# KiCad board Ethernet controller W5500 board_panel.kicad_pcb (continued)
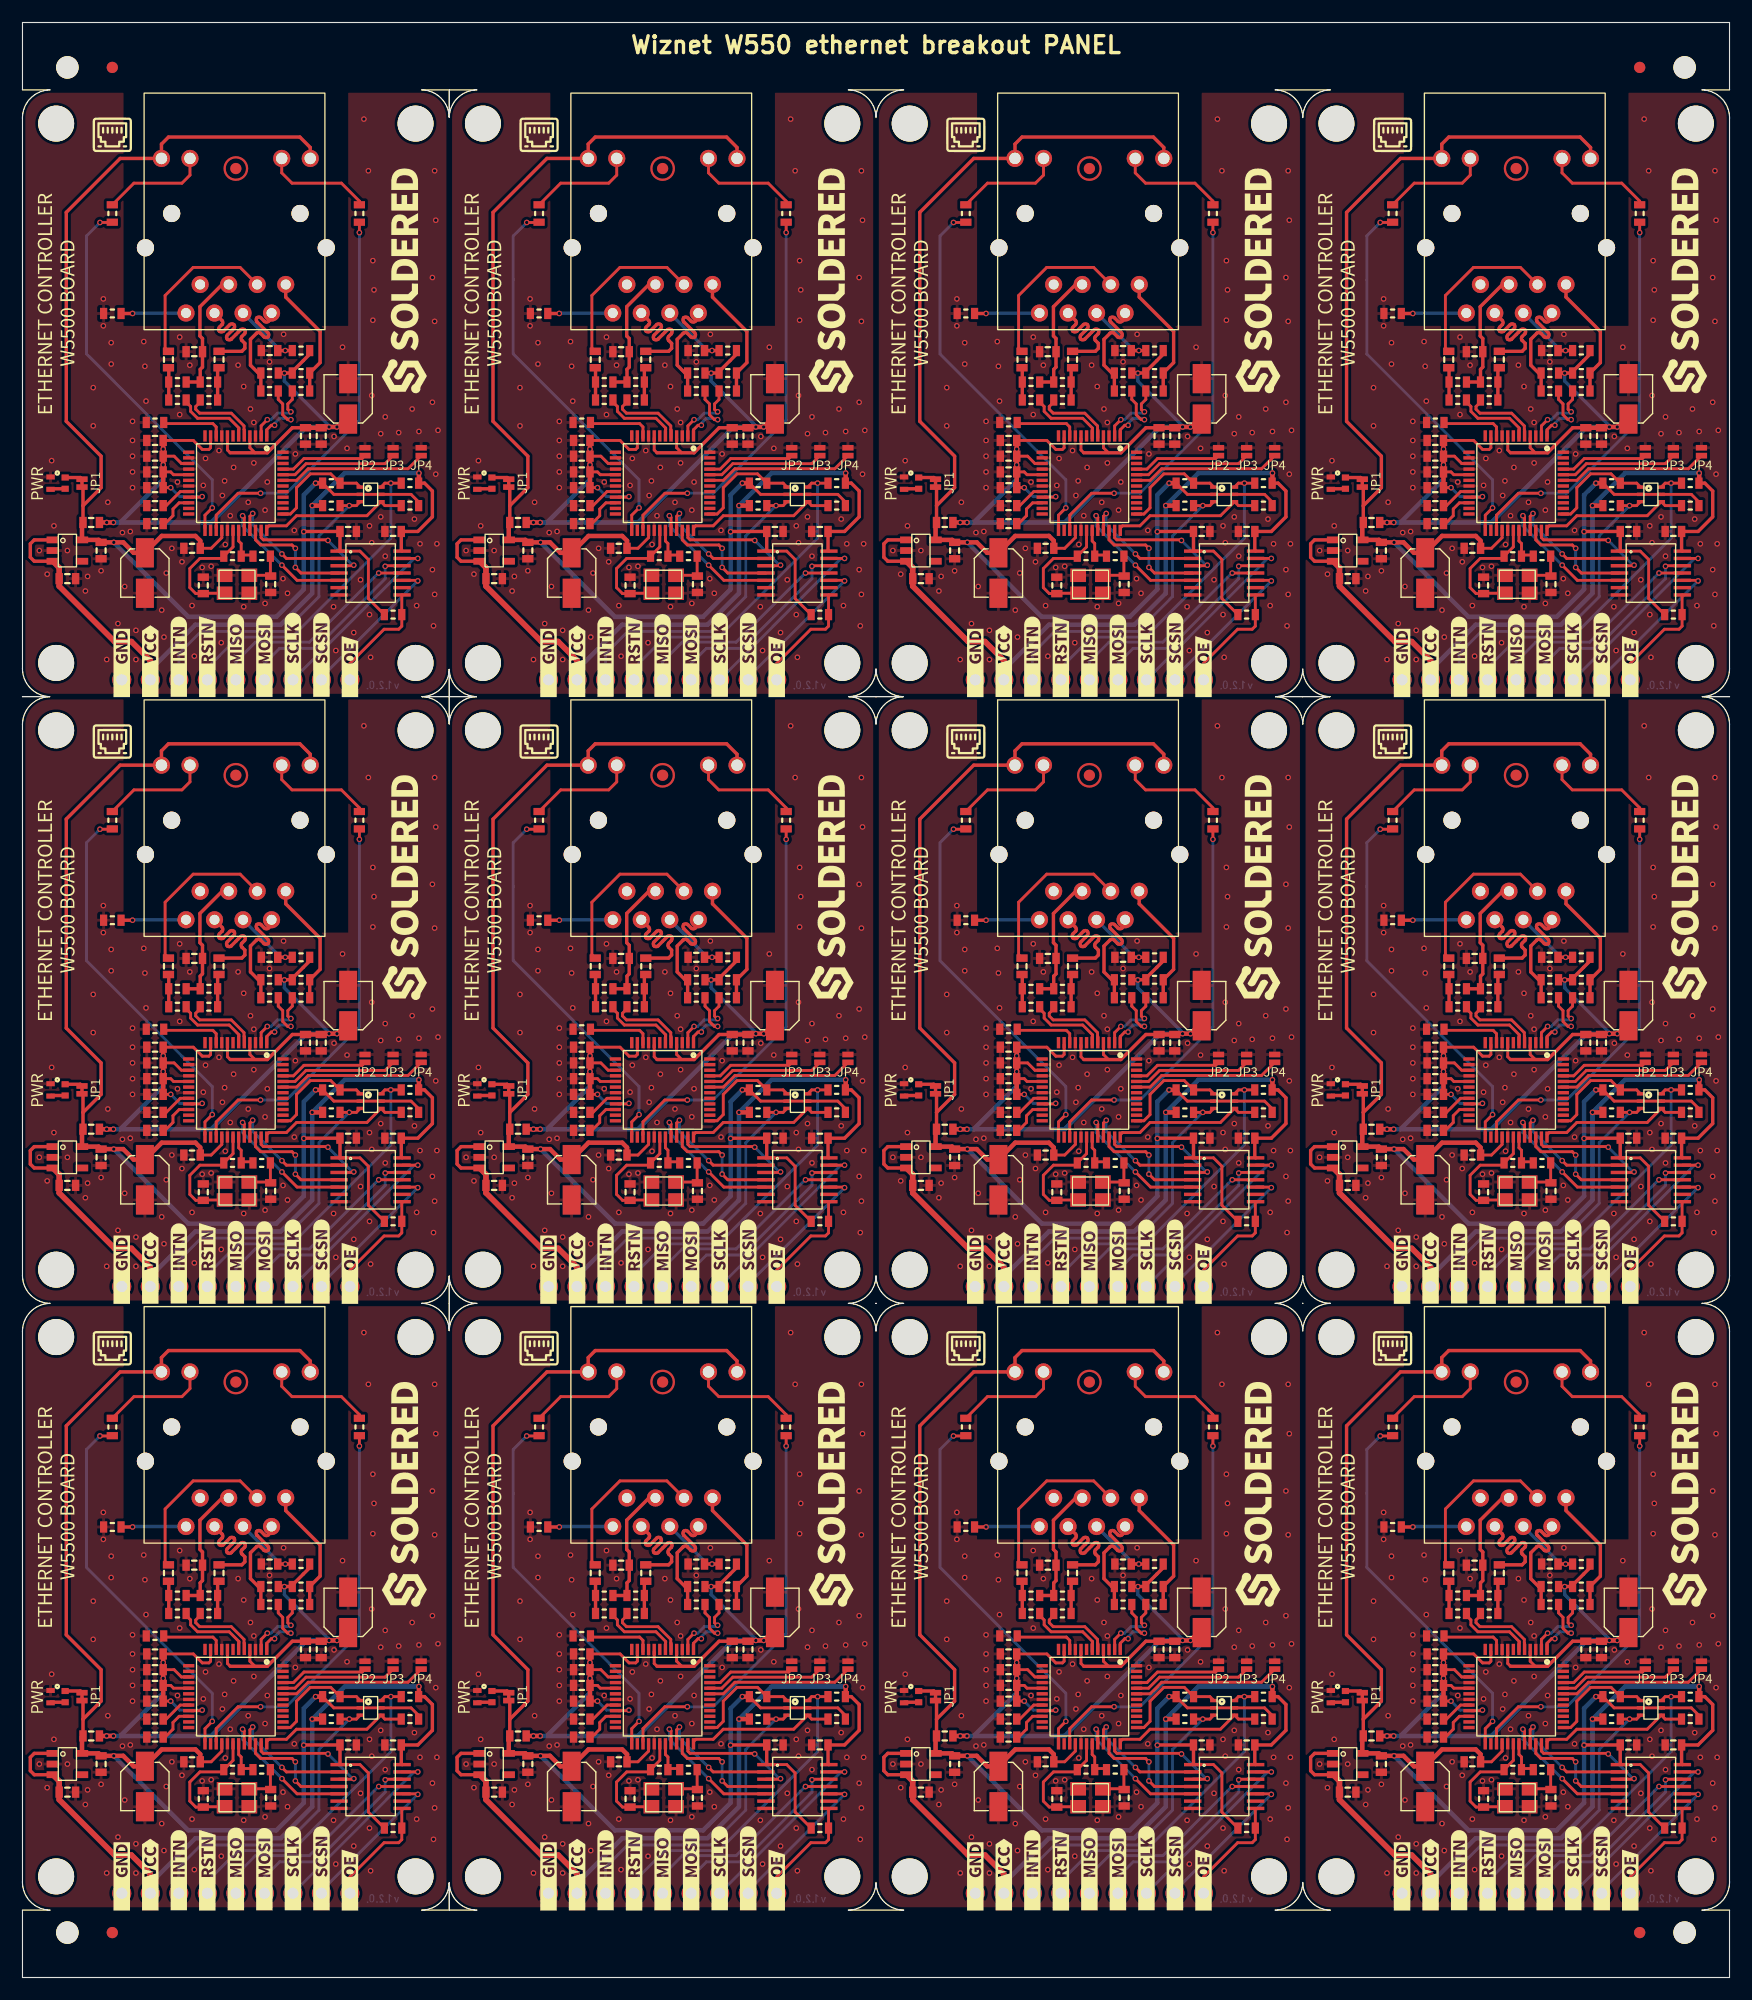
[diagram p0: board, top side]
## Routing (per net, layer and track width the routed paths; a pad name or vN(x,y) marks a point on that pad's centre or on a via; arc(x,y) is an arc through that point) (continued)
Board_1-Net-(C7-Pad2): length 11.5
  Top w0.3: R7#10.1 R9#3.1 53.83,143.13 54.03,143.33 C7#11.2 54.03,145.87 53.8,146.1 53.8,148.7 55.78,150.68 K1#7.5
Board_1-Net-(C9-Pad2): length 2.9
  Top w0.3: R3#11.2 R9#3.2 55.38,143.15 C9#11.2
Board_1-Net-(C10-Pad2): length 2.9
  Top w0.3: R4.2 R7#10.2 51.03,143.25 C10.2
Board_1-Net-(C11-Pad2): length 6.4
  Top w0.3: R10#2.1 v1(61.4,144.8) C11#6.2
  Bottom w0.3: v1(61.4,144.8) 60.98,144.8 K1#7.4
Board_1-Net-(C12-Pad2): length 3
  Top w0.254: 53,132.25 52.05,132.25 50.8,131 C12#2.2
Board_1-Net-(C13-Pad2): length 3.4
  Top w0.254: C13#9.2 50.7,129.4 51.4,130.1 51.4,130.7 51.95,131.25 U1#5.22
Board_1-Net-(C16-Pad2): length 11.4
  Top w0.254: X1#4.1 54.13,123.2 C16#12.2 53.43,123.17 52.9,123.7 52.9,125.4 53.8,126.3 55.73,126.3 56.75,127.33 56.75,129
Board_1-Net-(C17-Pad2): length 3.8
  Top w0.254: 60.08,126.6 60.08,124.76 C17#2.2 60.03,124.8 X1#4.3
Board_1-Net-(D1-Pad1): length 1.3
  Top w0.3: D1#7.1 40.55,132.5 R13#2.2
Board_1-Net-(JP1-Pad2): length 1.6
  Top w0.3: JP1#7.2 43.15,133.5 R13#2.1
Board_1-Net-(K1-Pad10): length 9.6
  Top w0.254: R12#10.1 68,158.1 66.4,159.7 62,159.7 61.09,160.62 K1#7.10
Board_1-Net-(K1-Pad11): length 9.5
  Top w0.254: R11#2.1 47.93,159.7 52.2,159.7 52.92,160.42 K1#7.11
Board_1-Net-(R5-Pad2): length 5.8
  Top w0.254: 55.25,137 55.25,138 54.95,138.3 50.68,138.3 R5#10.2
Board_1-Net-(R14-Pad2): length 3.5
  Top w0.254: 57.25,129 57.25,127.85 57.48,127.63 57.48,126.6 58.53,126.6
Board_1-OE: length 10.2
  Top w0.254: U3#8.8 71.78,123.03 R17.2 71.78,120.28 71.5,120 70.2,120 67.16,116.96 K2#10.9
Board_1-PMODE0: length 8
  Top w0.254: 61,134.25 62.13,134.25 63.06,135.19 68.24,135.19 JP2#3.2
Board_1-PMODE1: length 10.7
  Top w0.254: 61,133.75 62.27,133.75 63.25,134.73 70.28,134.73 JP3#12.2
Board_1-PMODE2: length 13.4
  Top w0.254: 61,133.25 62.41,133.25 63.44,134.28 72.33,134.28 JP4#2.2
Board_1-RSTn_H: length 29
  Top w0.254: U5#12.6 70.27,133 v1(70.8,133) R27#5.1
  Bottom w0.254: K2#10.4 54.46,116.56 57.2,119.3 62,119.3 70.8,128.1 v1(70.8,133)
Board_1-RSTn_L: length 10.1
  Top w0.254: U5#12.1 67.73,133 R21#2.1 65.45,133.83 63.63,133.83 62.4,132.6 62.4,130.8 61.85,130.25 61,130.25
Board_1-RX+: length 7
  Top w0.254: 57.25,137 57.25,137.75 57.27,137.77 57.27,137.91 56.41,138.77 53.59,138.77 52.97,139.39 52.97,139.82 52.58,140.22 R4.1
Board_1-RX-: length 7
  Top w0.254: R3#11.1 53.83,140.22 53.43,139.82 53.43,139.58 53.78,139.23 56.6,139.23 57.73,138.09 57.73,137.77 57.75,137.75 57.75,137
Board_1-SCLK_H: length 17
  Top w0.254: v1(73.2,126.3) U3#8.13
  Bottom w0.254: v1(73.2,126.3) 72.88,126.3 K2#10.7
Board_1-SCLK_L: length 11.3
  Top w0.254: 58.25,129 58.25,130.05 v1(58.5,130.3) ; v1(61.1,126.7) 61.5,126.3 U3#8.2
  Bottom w0.254: v1(58.5,130.3) 58.5,129.3 v1(61.1,126.7)
Board_1-SCSn_H: length 13.8
  Top w0.254: v1(73.2,124.3) 73.15,124.35 U3#8.10
  Bottom w0.254: K2#10.8 64.62,115.72 v1(73.2,124.3)
Board_1-SCSn_L: length 12.7
  Top w0.254: v1(57.6,130.1) 57.75,129.95 57.75,129 ; U3#8.5 62.45,124.35 v1(61.1,125.7)
  Bottom w0.254: v1(61.1,125.7) 57.6,129.2 v1(57.6,130.1)
Board_1-TX+: length 6.4
  Top w0.254: R2#9.1 62.03,140.45 61.63,140.05 61.63,139.57 61.84,139.35 v1(61.9,139.35) ; 59.25,137 59.25,138.1 v1(59.8,138.65)
  Bottom w0.254: v1(59.8,138.65) 60.13,138.65 60.71,139.23 61.78,139.23 v1(61.9,139.35)
Board_1-TX-: length 6.7
  Top w0.254: R1#7.1 60.78,140.45 61.17,140.05 61.17,139.09 61.61,138.65 v1(61.9,138.65) ; 59.75,137 59.75,137.75 60.15,138.15 v1(60.45,138.15)
  Bottom w0.254: v1(61.9,138.65) 61.78,138.77 60.9,138.77 60.45,138.33 v1(60.45,138.15)
Board_1-VCC: length 67.9
  Top w0.3: U2#6.1 39.05,127.95 38.7,127.6 38.7,126.4 39.05,126.05 U2#6.3 ; R27#5.2 73.8,133 74.5,132.3 74.5,130 73.2,128.7 C21.1 71.73,127.02 U3#8.14
  Top w0.4: R27#5.2 73.3,133.03 v1(73.3,133.9) ; R22.1 v1(63.8,131)
  Top w0.5: K2#10.2 49.38,117.22 47.7,118.9 46.2,118.9 41.27,123.83 C18#8.2 41.27,125.48 U2#6.3
  Bottom w0.4: K2#10.2 49.38,116.38 53.4,120.4 61,120.4 63.8,123.2 63.8,130.93 63.77,130.96 v1(63.8,131) 66.7,133.9 v1(73.3,133.9)
Board_2-3V3: length 129.2
  Top w0.254: R17#6.1 106.8,122.73 106.8,126.2 106.05,126.95 U3#11.1 ; C14#8.2 92.8,127.2 93.75,128.15 93.75,129 ; R28#7.1 111.28,131.33 110.6,132 U5#9.5 U5#9.2 103.73,132 R21#3.2
  Top w0.3: 81.39,130.99 81.39,132.56 JP1.1 ; 81.39,130.99 FB1#10.1 ; 81.39,130.99 83,132.6 83,135.4 79.9,138.5 79.9,157.1 84.7,161.9 K1#11.12 88.38,163.18 89,163.8 100.7,163.8 101.63,162.88 K1#11.9 ; U3#11.1 104.27,127.02 C20#9.2 101.07,128.7 v1(101.05,128.68)
  Top w0.4: v1(102.1,133) R21#3.2 ; FB1#10.1 81.3,129.41 U2#10.5 82.78,127.95 C19.2 84.97,127.73 85.9,126.8 C15#5.1 88.4,128.3 91.4,128.3 91.83,127.87 C14#8.2
  Bottom w0.4: v1(84.13,127.73) 90.76,121.1 98.6,121.1 101.05,123.55 v1(101.05,128.68) 101.05,131.95 v1(102.1,133)
Board_2-3V3_A: length 77.8
  Top w0.254: C4#10.2 91.21,136.8 92.01,136 92.6,136 92.75,136.15 92.75,137 ; C6#11.2 89.2,134 89.45,133.75 91,133.75 ; 91,131.75 91.95,131.75 v1(92,131.8) ; 96.7,135.7 96.25,136.15 96.25,137 ; v1(89.2,132.6) C8.2 ; 91,134.75 90.15,134.75 89.5,135.4 C5#11.2 ; 94.5,135.7 94.25,135.95 94.25,137
  Top w0.3: R10#6.2 101.58,144.48 100.03,142.93 R8#3.2 R6#8.2 ; 94.5,135.7 97.8,135.7 100.03,137.93 C2#2.2
  Top w0.4: C8.2 v1(88.53,134.63) v1(88.53,136.03) C4#10.2 ; 104.7,138.7 v1(104,138) v1(103.3,138) 102.67,138 C3#11.2 C2#2.2 ; FB1#10.2 v1(83.5,129.5) v1(84.1,129.5)
  Bottom w0.254: v1(89.2,132.6) 90,131.8 v1(92,131.8)
  Bottom w0.3: v1(99.32,142.79) 99.32,142.08 103.3,138.1 v1(103.3,138)
  Bottom w0.4: v1(88.53,136.03) v1(88.53,134.63) 88.53,133.33 84.7,129.5 ; 84.7,129.5 92.8,129.5 101.3,138 v1(104,138) ; 84.7,129.5 v1(84.1,129.5) v1(83.5,129.5)
Board_2-/RXN: length 11.6
  Top w0.3: C9#12.1 95.53,144.73 95.8,145 95.8,145.44 95.54,145.7 arc(95.47,145.88) 95.54,146.06 95.78,146.29 arc(95.85,146.47) 95.78,146.65 arc(95.6,146.72) 95.42,146.65 94.59,145.82 arc(94.42,145.74) 94.24,145.82 arc(94.17,145.99) 94.24,146.17 94.83,146.76 arc(94.9,146.93) 94.83,147.1 94.82,147.11 arc(94.65,147.18) 94.47,147.11 93.89,146.52 arc(93.71,146.45) 93.53,146.52 arc(93.46,146.7) 93.53,146.88 93.77,147.12 arc(93.84,147.29) 93.77,147.47 K1#11.6
Board_2-/RXP: length 15
  Top w0.254: C10#11.1 88.7,145.03 88.7,149.7 91.2,152.2 95.38,152.2 K1#11.3
Board_2-/TXN: length 11.4
  Top w0.3: R1#6.2 R6#8.1 97,142.8 96.3,143.5 96.3,145.8 96.84,146.34 arc(97.02,146.41) 97.19,146.34 97.51,146.02 arc(97.69,145.95) 97.86,146.02 arc(97.94,146.2) 97.86,146.38 96.88,147.36 arc(96.81,147.54) 96.88,147.71 arc(97.06,147.79) 97.23,147.71 97.55,147.4 arc(97.72,147.33) 97.9,147.4 98.18,147.68 K1#11.2
Board_2-/TXP: length 11.1
  Top w0.3: R2.2 R8#3.1 102.5,143.73 102.5,146.5 99.44,149.56 K1#11.1
Board_2-ACTLED: length 35
  Top w0.254: v1(97.2,132.1) 95.2,132.1 93.25,130.15 93.25,129 ; v1(106,155.3) R12#12.2
  Bottom w0.254: v1(97.2,132.1) 99.5,132.1 106,138.6 v1(106,155.3)
Board_2-CGND: length 5.8
  Top w0.3: v1(85.8,148.1) R16#4.2
  Bottom w0.3: K1#11.8 85.84,148.14 v1(85.8,148.1)
Board_2-GND:
  vias: v1(77.5,127) v1(78.2,124.9) v1(78.6,135) v1(78.8,129.2) v1(80,127) v1(81.6,123.4) v1(81.8,124.7) v1(82.3,141.5) v1(82.3,138.1) v1(83,125.2) v1(83.2,149.4) v1(83.2,147) v1(83.5,117.3) v1(83.6,131.3) v1(83.9,145.5) v1(83.9,143.6) v1(84.5,120.5) v1(84.9,128.6) v1(85.1,123.8) v1(85.6,128.7) v1(85.8,138.5) v1(85.8,136.8) v1(85.8,135.4) v1(85.8,134) v1(85.8,132.6) v1(86.1,119.9) v1(86.1,117.3) v1(86.8,145.6) v1(86.9,143.4) v1(87,140.3) v1(88.4,121.7) v1(88.6,119.3) v1(88.8,125) v1(89.3,127.2) v1(89.8,133.1) v1(90,146) v1(90,139.1) v1(90.2,126) v1(90.9,143.5) v1(91.1,122.1) v1(91.3,117.6) v1(92,125.5) v1(92.1,132.8) v1(92.3,135.2) v1(92.8,125.6) v1(93.5,135.9) v1(93.7,118.8) v1(93.8,131.9) v1(94,133.2) v1(94.06,127.54) v1(94.5,130.1) v1(94.8,134.4) v1(95.2,143.5) v1(95.7,141.6) v1(95.7,122) v1(96.1,131.3) v1(96.3,139.6) v1(96.6,138.4) v1(96.6,134.8) v1(97.6,130.6) v1(97.6,122.3) v1(97.8,133.1) v1(98,143.8) v1(99.2,124.5) v1(99.25,146.25) v1(99.6,123.2) v1(100.2,128.8) v1(100.3,135.6) v1(103.74,137.16) v1(103.7,122) v1(103.9,118.1) v1(104.5,145.1) v1(104.9,136.1) v1(105.5,119.7) v1(106.1,124.4) v1(106.4,165.4) v1(106.8,160.8) v1(106.9,129.2) v1(106.9,121.3) v1(107,117.5) v1(107.1,140.8) v1(107.1,127.7) v1(107.2,152.8) v1(107.2,147.5) v1(107.3,150.2) v1(107.9,137.4) v1(107.9,130) v1(108.3,138.9) v1(108.3,126.5) v1(109.5,137.5) v1(110.7,139.6) v1(110.9,129.8) v1(111.1,122.1) v1(111.3,137.6) v1(111.4,127.6) v1(112.5,151.3) v1(112.5,140.2) v1(112.5,125.3) v1(112.6,120.3) v1(112.7,160.8) v1(112.7,147.4) v1(112.7,123.1) v1(112.8,156.4) v1(112.8,133.8) v1(112.9,127.6) v1(113,137.7)
Board_2-INTn_H: length 28.1
  Top w0.254: U5#9.3 105.73,131 v1(105.1,131) R22#8.2
  Bottom w0.254: K2#9.3 89.92,117.82 91.9,119.8 99.3,119.8 102.4,122.9 102.4,128.3 v1(105.1,131)
Board_2-INTn_L: length 13.1
  Top w0.254: 97.75,129 97.95,129.2 99.5,129.2 100.4,130.1 106.67,130.1 U5#9.4 108.27,131 R28#7.2
Board_2-LINKLED: length 33.7
  Top w0.254: 92.25,129 92.25,130.15 v1(92.9,130.8) ; R11#7.2 83.98,156.2 v1(82.9,156.2)
  Bottom w0.254: v1(82.9,156.2) 81.7,155 81.7,144.5 92.9,133.3 v1(92.9,130.8)
Board_2-MISO_H: length 19.7
  Top w0.254: v1(107.72,125) U3#11.11
  Bottom w0.254: K2#9.5 95,117.1 96.75,118.85 101.55,118.85 107.7,125 v1(107.72,125)
Board_2-MISO_L: length 10.7
  Top w0.254: v1(100.3,127.2) 100,127.5 97.2,127.5 96.75,127.95 96.75,129 ; v1(100.3,125.5) 100.8,125 U3#11.4
  Bottom w0.254: v1(100.3,125.5) v1(100.3,127.2)
Board_2-MOSI_H: length 18
  Top w0.254: U3#11.12 108.35,125.65 v1(108.3,125.6)
  Bottom w0.254: v1(108.3,125.6) 108.3,124.5 102.1,118.3 98.9,118.3 97.54,116.94 K2#9.6
Board_2-MOSI_L: length 11.4
  Top w0.254: 97.25,129 97.25,128.15 97.45,127.95 103.15,127.95 v1(103.2,127.9) ; v1(105.5,125.7) 105.45,125.65 U3#11.3
  Bottom w0.254: v1(105.5,125.7) 105.4,125.7 v1(103.2,127.9)
Board_2-Net-(C7-Pad2): length 11.5
  Top w0.3: R7#8.1 R9#12.1 91.83,143.13 92.03,143.33 C7#3.2 92.03,145.87 91.8,146.1 91.8,148.7 93.78,150.68 K1#11.5
Board_2-Net-(C9-Pad2): length 2.9
  Top w0.3: R3#12.2 R9#12.2 93.38,143.15 C9#12.2
Board_2-Net-(C10-Pad2): length 2.9
  Top w0.3: C10#11.2 89.03,143.25 R7#8.2 R4#4.2
Board_2-Net-(C11-Pad2): length 6.4
  Top w0.3: R10#6.1 v1(99.4,144.8) C11#9.2
  Bottom w0.3: K1#11.4 98.98,144.8 v1(99.4,144.8)
Board_2-Net-(C12-Pad2): length 3
  Top w0.254: 91,132.25 90.05,132.25 88.8,131 C12#10.2
Board_2-Net-(C13-Pad2): length 3.4
  Top w0.254: U1#3.22 89.95,131.25 89.4,130.7 89.4,130.1 88.7,129.4 C13#2.2
Board_2-Net-(C16-Pad2): length 11.4
  Top w0.254: X1#6.1 92.13,123.2 C16#6.2 91.43,123.17 90.9,123.7 90.9,125.4 91.8,126.3 93.73,126.3 94.75,127.33 94.75,129
Board_2-Net-(C17-Pad2): length 3.8
  Top w0.254: X1#6.3 98.03,124.8 C17.2 98.08,124.76 98.08,126.6
Board_2-Net-(D1-Pad1): length 1.3
  Top w0.3: D1#3.1 78.55,132.5 R13#4.2
Board_2-Net-(JP1-Pad2): length 1.6
  Top w0.3: R13#4.1 81.15,133.5 JP1.2
Board_2-Net-(K1-Pad10): length 9.6
  Top w0.254: K1#11.10 99.09,160.62 100,159.7 104.4,159.7 106,158.1 R12#12.1
Board_2-Net-(K1-Pad11): length 9.5
  Top w0.254: K1#11.11 90.92,160.42 90.2,159.7 85.93,159.7 R11#7.1
Board_2-Net-(R5-Pad2): length 5.8
  Top w0.254: R5#9.2 88.68,138.3 92.95,138.3 93.25,138 93.25,137
Board_2-Net-(R14-Pad2): length 3.5
  Top w0.254: 96.53,126.6 95.48,126.6 95.48,127.63 95.25,127.85 95.25,129
Board_2-OE: length 10.2
  Top w0.254: K2#9.9 105.16,116.96 108.2,120 109.5,120 109.78,120.28 R17#6.2 109.78,123.03 U3#11.8
Board_2-PMODE0: length 8
  Top w0.254: JP2.2 106.24,135.19 101.06,135.19 100.13,134.25 99,134.25
Board_2-PMODE1: length 10.7
  Top w0.254: 99,133.75 100.27,133.75 101.25,134.73 108.28,134.73 JP3#7.2
Board_2-PMODE2: length 13.4
  Top w0.254: 99,133.25 100.41,133.25 101.44,134.28 110.33,134.28 JP4.2
Board_2-RSTn_H: length 29
  Top w0.254: U5#9.6 108.27,133 v1(108.8,133) R27#7.1
  Bottom w0.254: K2#9.4 92.46,116.56 95.2,119.3 100,119.3 108.8,128.1 v1(108.8,133)
Board_2-RSTn_L: length 10.1
  Top w0.254: 99,130.25 99.85,130.25 100.4,130.8 100.4,132.6 101.63,133.83 103.45,133.83 R21#3.1 105.73,133 U5#9.1
Board_2-RX+: length 7
  Top w0.254: 95.25,137 95.25,137.75 95.27,137.77 95.27,137.91 94.41,138.77 91.59,138.77 90.97,139.39 90.97,139.82 90.58,140.22 R4#4.1
Board_2-RX-: length 7
  Top w0.254: R3#12.1 91.83,140.22 91.43,139.82 91.43,139.58 91.78,139.23 94.6,139.23 95.73,138.09 95.73,137.77 95.75,137.75 95.75,137
Board_2-SCLK_H: length 17
  Top w0.254: v1(111.2,126.3) U3#11.13
  Bottom w0.254: K2#9.7 110.88,126.3 v1(111.2,126.3)
Board_2-SCLK_L: length 11.3
  Top w0.254: v1(99.1,126.7) 99.5,126.3 U3#11.2 ; 96.25,129 96.25,130.05 v1(96.5,130.3)
  Bottom w0.254: v1(99.1,126.7) 96.5,129.3 v1(96.5,130.3)
Board_2-SCSn_H: length 13.8
  Top w0.254: U3#11.10 111.15,124.35 v1(111.2,124.3)
  Bottom w0.254: K2#9.8 102.62,115.72 v1(111.2,124.3)
Board_2-SCSn_L: length 12.7
  Top w0.254: v1(95.6,130.1) 95.75,129.95 95.75,129 ; U3#11.5 100.45,124.35 v1(99.1,125.7)
  Bottom w0.254: v1(95.6,130.1) 95.6,129.2 v1(99.1,125.7)
Board_2-TX+: length 6.4
  Top w0.254: R2.1 100.03,140.45 99.63,140.05 99.63,139.57 99.84,139.35 v1(99.9,139.35) ; v1(97.8,138.65) 97.25,138.1 97.25,137
  Bottom w0.254: v1(97.8,138.65) 98.13,138.65 98.71,139.23 99.78,139.23 v1(99.9,139.35)
Board_2-TX-: length 6.7
  Top w0.254: v1(98.45,138.15) 98.15,138.15 97.75,137.75 97.75,137 ; v1(99.9,138.65) 99.61,138.65 99.17,139.09 99.17,140.05 98.78,140.45 R1#6.1
  Bottom w0.254: v1(99.9,138.65) 99.78,138.77 98.9,138.77 98.45,138.33 v1(98.45,138.15)
Board_2-VCC: length 67.9
  Top w0.3: R27#7.2 111.8,133 112.5,132.3 112.5,130 111.2,128.7 C21#5.1 109.73,127.02 U3#11.14 ; U2#10.3 77.05,126.05 76.7,126.4 76.7,127.6 77.05,127.95 U2#10.1
  Top w0.4: R27#7.2 111.3,133.03 v1(111.3,133.9) ; R22#8.1 v1(101.8,131)
  Top w0.5: K2#9.2 87.38,117.22 85.7,118.9 84.2,118.9 79.27,123.83 C18#4.2 79.27,125.48 U2#10.3
  Bottom w0.4: v1(111.3,133.9) 104.7,133.9 v1(101.8,131) 101.77,130.96 101.8,130.93 101.8,123.2 99,120.4 91.4,120.4 87.38,116.38 K2#9.2
Board_3-3V3: length 129.2
  Top w0.254: R17#4.1 144.8,122.73 144.8,126.2 144.05,126.95 U3#5.1 ; C14#10.2 130.8,127.2 131.75,128.15 131.75,129 ; R21#9.2 141.73,132 U5#7.2 U5#7.5 148.6,132 149.28,131.33 R28#6.1
  Top w0.3: K1#10.9 139.63,162.88 138.7,163.8 127,163.8 126.38,163.18 K1#10.12 122.7,161.9 117.9,157.1 117.9,138.5 121,135.4 121,132.6 119.39,130.99 ; JP1#3.1 119.39,132.56 119.39,130.99 ; v1(139.05,128.68) 139.07,128.7 C20#7.2 142.27,127.02 U3#5.1 ; 119.39,130.99 FB1#12.1
  Top w0.4: FB1#12.1 119.3,129.41 U2#5.5 120.78,127.95 C19#4.2 122.97,127.73 123.9,126.8 C15#2.1 126.4,128.3 129.4,128.3 129.83,127.87 C14#10.2 ; v1(140.1,133) R21#9.2
  Bottom w0.4: v1(140.1,133) 139.05,131.95 v1(139.05,128.68) 139.05,123.55 136.6,121.1 128.76,121.1 v1(122.13,127.73)
Board_3-3V3_A: length 77.8
  Top w0.254: 129,134.75 128.15,134.75 127.5,135.4 C5#7.2 ; 134.25,137 134.25,136.15 134.7,135.7 ; C6#6.2 127.2,134 127.45,133.75 129,133.75 ; C4#12.2 129.21,136.8 130.01,136 130.6,136 130.75,136.15 130.75,137 ; 129,131.75 129.95,131.75 v1(130,131.8) ; v1(127.2,132.6) C8#11.2 ; 132.25,137 132.25,135.95 132.5,135.7
  Top w0.3: R6#3.2 R8#6.2 138.03,142.93 139.58,144.48 R10.2 ; 132.5,135.7 135.8,135.7 138.03,137.93 C2#10.2
  Top w0.4: C4#12.2 v1(126.53,136.03) v1(126.53,134.63) C8#11.2 ; FB1#12.2 v1(121.5,129.5) v1(122.1,129.5) ; 142.7,138.7 v1(142,138) v1(141.3,138) 140.67,138 C3#12.2 C2#10.2
  Bottom w0.254: v1(130,131.8) 128,131.8 v1(127.2,132.6)
  Bottom w0.3: v1(137.32,142.79) 137.32,142.08 141.3,138.1 v1(141.3,138)
  Bottom w0.4: v1(121.5,129.5) v1(122.1,129.5) 122.7,129.5 ; v1(126.53,136.03) v1(126.53,134.63) 126.53,133.33 122.7,129.5 ; 122.7,129.5 130.8,129.5 139.3,138 v1(142,138)
Board_3-/RXN: length 11.6
  Top w0.3: C9.1 133.53,144.73 133.8,145 133.8,145.44 133.54,145.7 arc(133.47,145.88) 133.54,146.06 133.78,146.29 arc(133.85,146.47) 133.78,146.65 arc(133.6,146.72) 133.42,146.65 132.59,145.82 arc(132.42,145.74) 132.24,145.82 arc(132.17,145.99) 132.24,146.17 132.83,146.76 arc(132.9,146.93) 132.83,147.1 132.82,147.11 arc(132.65,147.18) 132.47,147.11 131.89,146.52 arc(131.71,146.45) 131.53,146.52 arc(131.46,146.7) 131.53,146.88 131.77,147.12 arc(131.84,147.29) 131.77,147.47 K1#10.6
Board_3-/RXP: length 15
  Top w0.254: C10#3.1 126.7,145.03 126.7,149.7 129.2,152.2 133.38,152.2 K1#10.3
Board_3-/TXN: length 11.4
  Top w0.3: K1#10.2 136.18,147.68 135.9,147.4 arc(135.72,147.33) 135.55,147.4 135.23,147.71 arc(135.06,147.79) 134.88,147.71 arc(134.81,147.54) 134.88,147.36 135.86,146.38 arc(135.94,146.2) 135.86,146.02 arc(135.69,145.95) 135.51,146.02 135.19,146.34 arc(135.02,146.41) 134.84,146.34 134.3,145.8 134.3,143.5 135,142.8 R6#3.1 R1#2.2
Board_3-/TXP: length 11.1
  Top w0.3: K1#10.1 137.44,149.56 140.5,146.5 140.5,143.73 R8#6.1 R2#4.2
Board_3-ACTLED: length 35
  Top w0.254: v1(135.2,132.1) 133.2,132.1 131.25,130.15 131.25,129 ; v1(144,155.3) R12#7.2
  Bottom w0.254: v1(144,155.3) 144,138.6 137.5,132.1 v1(135.2,132.1)
Board_3-CGND: length 5.8
  Top w0.3: v1(123.8,148.1) R16#3.2
  Bottom w0.3: K1#10.8 123.84,148.14 v1(123.8,148.1)
Board_3-GND:
  vias: v1(115.5,127) v1(116.2,124.9) v1(116.6,135) v1(116.8,129.2) v1(118,127) v1(119.6,123.4) v1(119.8,124.7) v1(120.3,141.5) v1(120.3,138.1) v1(121,125.2) v1(121.2,149.4) v1(121.2,147) v1(121.5,117.3) v1(121.6,131.3) v1(121.9,145.5) v1(121.9,143.6) v1(122.5,120.5) v1(122.9,128.6) v1(123.1,123.8) v1(123.6,128.7) v1(123.8,138.5) v1(123.8,136.8) v1(123.8,135.4) v1(123.8,134) v1(123.8,132.6) v1(124.1,119.9) v1(124.1,117.3) v1(124.8,145.6) v1(124.9,143.4) v1(125,140.3) v1(126.4,121.7) v1(126.6,119.3) v1(126.8,125) v1(127.3,127.2) v1(127.8,133.1) v1(128,146) v1(128,139.1) v1(128.2,126) v1(128.9,143.5) v1(129.1,122.1) v1(129.3,117.6) v1(130,125.5) v1(130.1,132.8) v1(130.3,135.2) v1(130.8,125.6) v1(131.5,135.9) v1(131.7,118.8) v1(131.8,131.9) v1(132,133.2) v1(132.06,127.54) v1(132.5,130.1) v1(132.8,134.4) v1(133.2,143.5) v1(133.7,141.6) v1(133.7,122) v1(134.1,131.3) v1(134.3,139.6) v1(134.6,138.4) v1(134.6,134.8) v1(135.6,130.6) v1(135.6,122.3) v1(135.8,133.1) v1(136,143.8) v1(137.2,124.5) v1(137.25,146.25) v1(137.6,123.2) v1(138.2,128.8) v1(138.3,135.6) v1(141.74,137.16) v1(141.7,122) v1(141.9,118.1) v1(142.5,145.1) v1(142.9,136.1) v1(143.5,119.7) v1(144.1,124.4) v1(144.4,165.4) v1(144.8,160.8) v1(144.9,129.2) v1(144.9,121.3) v1(145,117.5) v1(145.1,140.8) v1(145.1,127.7) v1(145.2,152.8) v1(145.2,147.5) v1(145.3,150.2) v1(145.9,137.4) v1(145.9,130) v1(146.3,138.9) v1(146.3,126.5) v1(147.5,137.5) v1(148.7,139.6) v1(148.9,129.8) v1(149.1,122.1) v1(149.3,137.6) v1(149.4,127.6) v1(150.5,151.3) v1(150.5,140.2) v1(150.5,125.3) v1(150.6,120.3) v1(150.7,160.8) v1(150.7,147.4) v1(150.7,123.1) v1(150.8,156.4) v1(150.8,133.8) v1(150.9,127.6) v1(151,137.7)
Board_3-INTn_H: length 28.1
  Top w0.254: R22#10.2 v1(143.1,131) 143.73,131 U5#7.3
  Bottom w0.254: v1(143.1,131) 140.4,128.3 140.4,122.9 137.3,119.8 129.9,119.8 127.92,117.82 K2#4.3
Board_3-INTn_L: length 13.1
  Top w0.254: 135.75,129 135.95,129.2 137.5,129.2 138.4,130.1 144.67,130.1 U5#7.4 146.27,131 R28#6.2
Board_3-LINKLED: length 33.7
  Top w0.254: v1(130.9,130.8) 130.25,130.15 130.25,129 ; v1(120.9,156.2) 121.98,156.2 R11#6.2
  Bottom w0.254: v1(130.9,130.8) 130.9,133.3 119.7,144.5 119.7,155 v1(120.9,156.2)
Board_3-MISO_H: length 19.7
  Top w0.254: v1(145.72,125) U3#5.11
  Bottom w0.254: K2#4.5 133,117.1 134.75,118.85 139.55,118.85 145.7,125 v1(145.72,125)
Board_3-MISO_L: length 10.7
  Top w0.254: U3#5.4 138.8,125 v1(138.3,125.5) ; 134.75,129 134.75,127.95 135.2,127.5 138,127.5 v1(138.3,127.2)
  Bottom w0.254: v1(138.3,125.5) v1(138.3,127.2)
Board_3-MOSI_H: length 18
  Top w0.254: v1(146.3,125.6) 146.35,125.65 U3#5.12
  Bottom w0.254: v1(146.3,125.6) 146.3,124.5 140.1,118.3 136.9,118.3 135.54,116.94 K2#4.6
Board_3-MOSI_L: length 11.4
  Top w0.254: v1(143.5,125.7) 143.45,125.65 U3#5.3 ; v1(141.2,127.9) 141.15,127.95 135.45,127.95 135.25,128.15 135.25,129
  Bottom w0.254: v1(141.2,127.9) 143.4,125.7 v1(143.5,125.7)
Board_3-Net-(C7-Pad2): length 11.5
  Top w0.3: R7#11.1 R9#8.1 129.83,143.13 130.03,143.33 C7#7.2 130.03,145.87 129.8,146.1 129.8,148.7 131.78,150.68 K1#10.5
Board_3-Net-(C9-Pad2): length 2.9
  Top w0.3: R3#9.2 R9#8.2 131.38,143.15 C9.2
Board_3-Net-(C10-Pad2): length 2.9
  Top w0.3: R4#9.2 R7#11.2 127.03,143.25 C10#3.2
Board_3-Net-(C11-Pad2): length 6.4
  Top w0.3: R10.1 v1(137.4,144.8) C11#12.2
  Bottom w0.3: K1#10.4 136.98,144.8 v1(137.4,144.8)
Board_3-Net-(C12-Pad2): length 3
  Top w0.254: C12#5.2 126.8,131 128.05,132.25 129,132.25
Board_3-Net-(C13-Pad2): length 3.4
  Top w0.254: U1#12.22 127.95,131.25 127.4,130.7 127.4,130.1 126.7,129.4 C13#10.2
Board_3-Net-(C16-Pad2): length 11.4
  Top w0.254: X1#7.1 130.13,123.2 C16#7.2 129.43,123.17 128.9,123.7 128.9,125.4 129.8,126.3 131.73,126.3 132.75,127.33 132.75,129
Board_3-Net-(C17-Pad2): length 3.8
  Top w0.254: X1#7.3 136.03,124.8 C17#8.2 136.08,124.76 136.08,126.6
Board_3-Net-(D1-Pad1): length 1.3
  Top w0.3: R13#6.2 116.55,132.5 D1#11.1
Board_3-Net-(JP1-Pad2): length 1.6
  Top w0.3: R13#6.1 119.15,133.5 JP1#3.2
Board_3-Net-(K1-Pad10): length 9.6
  Top w0.254: R12#7.1 144,158.1 142.4,159.7 138,159.7 137.09,160.62 K1#10.10
Board_3-Net-(K1-Pad11): length 9.5
  Top w0.254: K1#10.11 128.92,160.42 128.2,159.7 123.93,159.7 R11#6.1
Board_3-Net-(R5-Pad2): length 5.8
  Top w0.254: R5#8.2 126.68,138.3 130.95,138.3 131.25,138 131.25,137
Board_3-Net-(R14-Pad2): length 3.5
  Top w0.254: 133.25,129 133.25,127.85 133.48,127.63 133.48,126.6 134.53,126.6
Board_3-OE: length 10.2
  Top w0.254: K2#4.9 143.16,116.96 146.2,120 147.5,120 147.78,120.28 R17#4.2 147.78,123.03 U3#5.8
Board_3-PMODE0: length 8
  Top w0.254: JP2#8.2 144.24,135.19 139.06,135.19 138.13,134.25 137,134.25
Board_3-PMODE1: length 10.7
  Top w0.254: JP3#9.2 146.28,134.73 139.25,134.73 138.27,133.75 137,133.75
Board_3-PMODE2: length 13.4
  Top w0.254: 137,133.25 138.41,133.25 139.44,134.28 148.33,134.28 JP4#10.2
Board_3-RSTn_H: length 29
  Top w0.254: U5#7.6 146.27,133 v1(146.8,133) R27#10.1
  Bottom w0.254: v1(146.8,133) 146.8,128.1 138,119.3 133.2,119.3 130.46,116.56 K2#4.4
Board_3-RSTn_L: length 10.1
  Top w0.254: 137,130.25 137.85,130.25 138.4,130.8 138.4,132.6 139.63,133.83 141.45,133.83 R21#9.1 143.73,133 U5#7.1
Board_3-RX+: length 7
  Top w0.254: 133.25,137 133.25,137.75 133.27,137.77 133.27,137.91 132.41,138.77 129.59,138.77 128.97,139.39 128.97,139.82 128.58,140.22 R4#9.1
Board_3-RX-: length 7
  Top w0.254: 133.75,137 133.75,137.75 133.73,137.77 133.73,138.09 132.6,139.23 129.78,139.23 129.43,139.58 129.43,139.82 129.83,140.22 R3#9.1
Board_3-SCLK_H: length 17
  Top w0.254: v1(149.2,126.3) U3#5.13
  Bottom w0.254: v1(149.2,126.3) 148.88,126.3 K2#4.7
Board_3-SCLK_L: length 11.3
  Top w0.254: v1(134.5,130.3) 134.25,130.05 134.25,129 ; U3#5.2 137.5,126.3 v1(137.1,126.7)
  Bottom w0.254: v1(134.5,130.3) 134.5,129.3 v1(137.1,126.7)
Board_3-SCSn_H: length 13.8
  Top w0.254: v1(149.2,124.3) 149.15,124.35 U3#5.10
  Bottom w0.254: K2#4.8 140.62,115.72 v1(149.2,124.3)
Board_3-SCSn_L: length 12.7
  Top w0.254: v1(137.1,125.7) 138.45,124.35 U3#5.5 ; v1(133.6,130.1) 133.75,129.95 133.75,129
  Bottom w0.254: v1(137.1,125.7) 133.6,129.2 v1(133.6,130.1)
Board_3-TX+: length 6.4
  Top w0.254: R2#4.1 138.03,140.45 137.63,140.05 137.63,139.57 137.84,139.35 v1(137.9,139.35) ; v1(135.8,138.65) 135.25,138.1 135.25,137
  Bottom w0.254: v1(137.9,139.35) 137.78,139.23 136.71,139.23 136.13,138.65 v1(135.8,138.65)
Board_3-TX-: length 6.7
  Top w0.254: R1#2.1 136.78,140.45 137.17,140.05 137.17,139.09 137.61,138.65 v1(137.9,138.65) ; v1(136.45,138.15) 136.15,138.15 135.75,137.75 135.75,137
  Bottom w0.254: v1(136.45,138.15) 136.45,138.33 136.9,138.77 137.78,138.77 v1(137.9,138.65)
Board_3-VCC: length 67.9
  Top w0.3: U3#5.14 147.73,127.02 C21#9.1 149.2,128.7 150.5,130 150.5,132.3 149.8,133 R27#10.2 ; U2#5.1 115.05,127.95 114.7,127.6 114.7,126.4 115.05,126.05 U2#5.3
  Top w0.4: v1(149.3,133.9) 149.3,133.03 R27#10.2 ; R22#10.1 v1(139.8,131)
  Top w0.5: U2#5.3 117.27,125.48 C18#7.2 117.27,123.83 122.2,118.9 123.7,118.9 125.38,117.22 K2#4.2
  Bottom w0.4: K2#4.2 125.38,116.38 129.4,120.4 137,120.4 139.8,123.2 139.8,130.93 139.77,130.96 v1(139.8,131) 142.7,133.9 v1(149.3,133.9)
Board_4-3V3: length 129.2
  Top w0.254: R21#5.2 27.73,78 U5#5.2 U5#5.5 34.6,78 35.28,77.33 R28#5.1 ; C14#4.2 16.8,73.2 17.75,74.15 17.75,75 ; R17#11.1 30.8,68.73 30.8,72.2 30.05,72.95 U3#12.1
  Top w0.3: K1.9 25.63,108.88 24.7,109.8 13,109.8 12.38,109.18 K1.12 8.7,107.9 3.9,103.1 3.9,84.5 7,81.4 7,78.6 5.39,76.99 ; U3#12.1 28.27,73.02 C20.2 25.07,74.7 v1(25.05,74.68) ; 5.39,76.99 FB1#5.1 ; 5.39,76.99 5.39,78.56 JP1#8.1
  Top w0.4: C14#4.2 15.83,73.87 15.4,74.3 12.4,74.3 C15#6.1 9.9,72.8 8.97,73.73 C19#5.2 6.78,73.95 U2#11.5 5.3,75.41 FB1#5.1 ; v1(26.1,79) R21#5.2
  Bottom w0.4: v1(26.1,79) 25.05,77.95 v1(25.05,74.68) 25.05,69.55 22.6,67.1 14.76,67.1 v1(8.13,73.73)